# Allegro board 1140022-KU060_PCIE_FIBER_BOARD_V001_pcb166_20240120_1835_pcb.brd (continued)
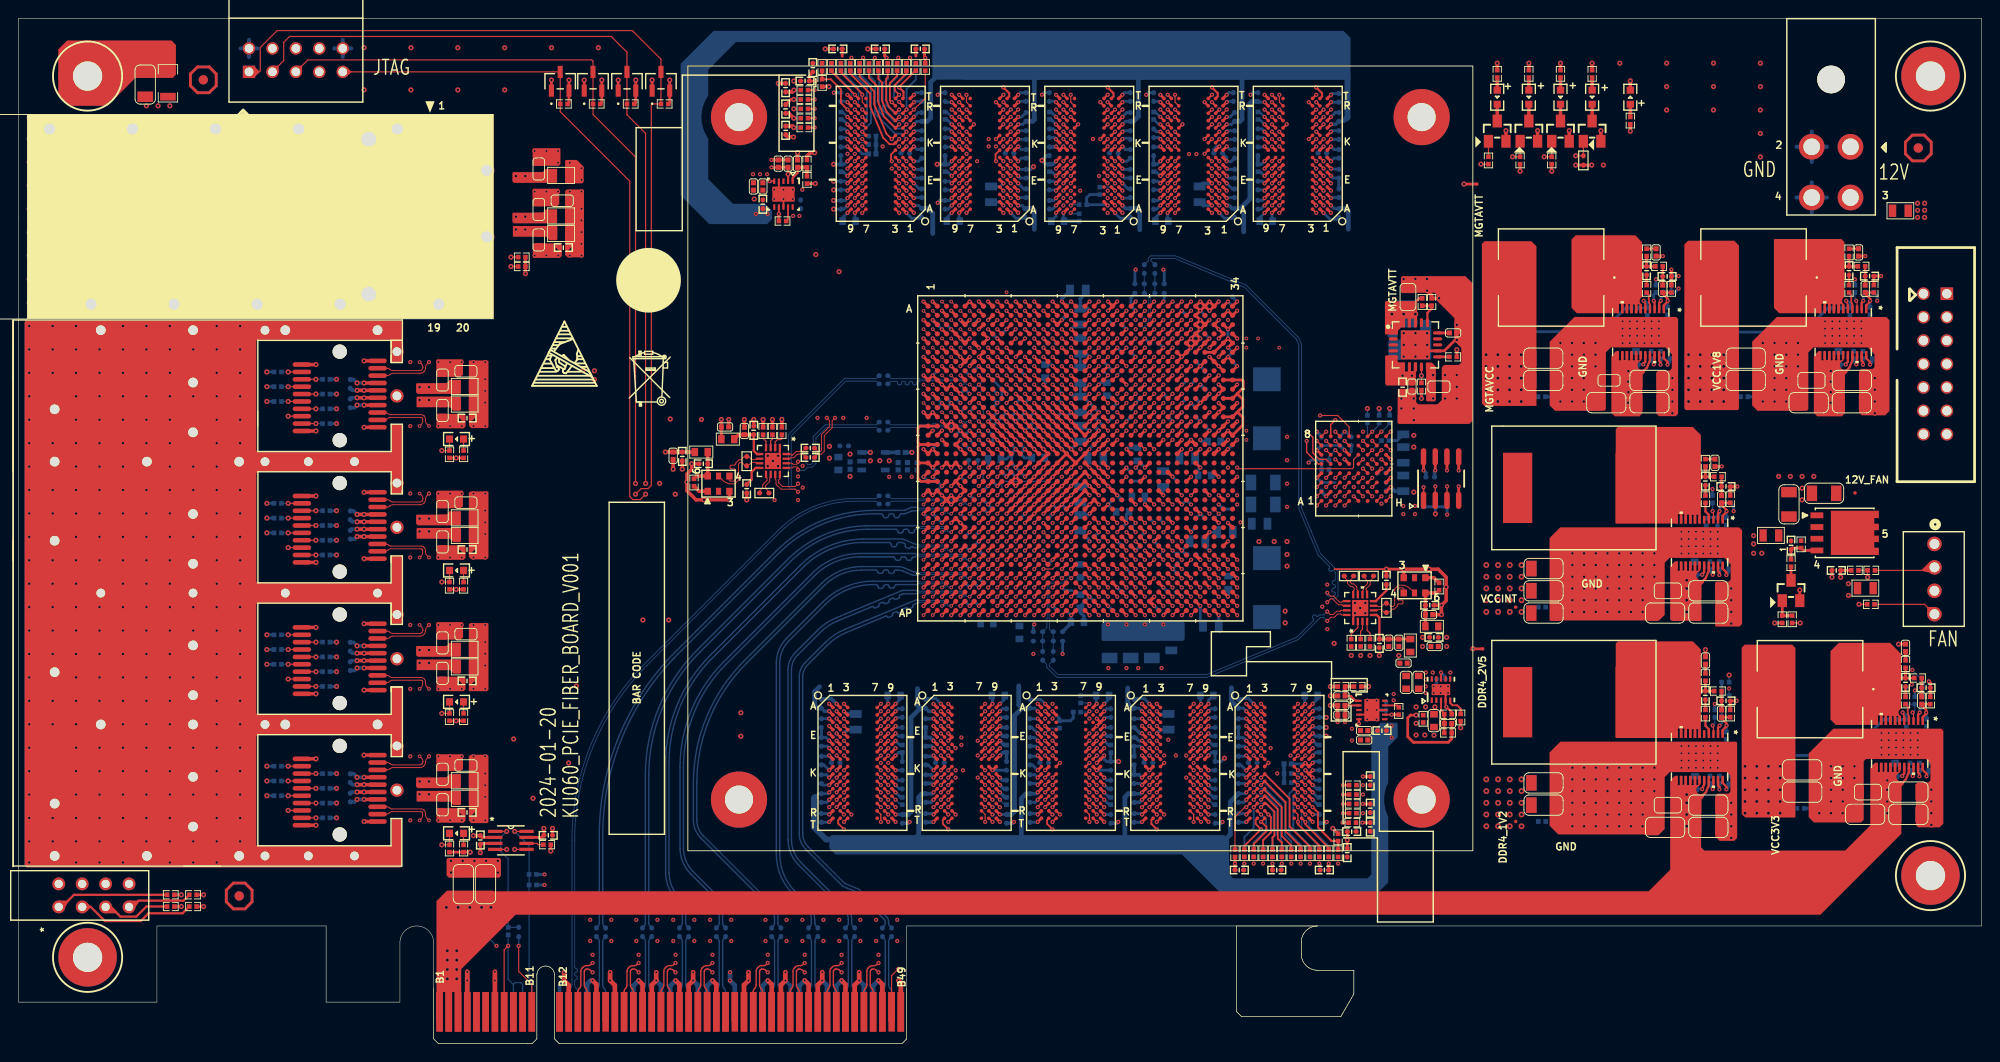
[diagram p0: board, top side]
## Nets (continued)
N24541574: C1379.1(CAP2) U129.15(OUT3_P)
N24547051: C70.1(CAP2) U1.AB6(MGTREFCLK0P_225)
N24547053: C72.1(CAP2) U1.AB5(MGTREFCLK0N_225)
N24596381: R29.2 U2.C6(WP_B)
N24600214: R31.1 U2.F7(WAIT)
N24600788: C18.1(CAP2) C19.1(CAP2) C20.1(CAP2) C21.1(CAP2) C22.1(CAP2) C23.1(CAP2) C1488.1 L2.2 U2.A4(VPP) U2.A6(VCC1) U2.D5(VCCQ1) U2.D6(VCCQ2) U2.G4(VCCQ3) U2.H3(VCC2)
N24609613: TP1.1(PIN1) U1.H27(IO_L1P_T0L_N0_DBC_RS0_65)
N24609632: TP2.1(PIN1) U1.G27(IO_L1N_T0L_N1_DBC_RS1_65)
N24657281: C1407.2(CAP1) U131.8(VAC_REF0)
N24657408: C1395.1(CAP2) U131.16(OUT3_N)
N24657423: C1396.1(CAP2) U131.15(OUT3_P)
N25142150: DS1.1 R9.2
N25143762: R44.2 U1.AC29(IO_T0U_N12_VRP_48)
N25147054: R54.1 U1.AG27(VREF_46)
N25650779: DS9.1 R626.2
N25650781: DS9.2 Q19.3(DRAIN)
N25659786: C1277.1(CAP2) R667.2 R670.1 U117.3(FB)
N25659816: C1281.1(CAP2) U117.8(NR_SS)
N25659818: R664.2 U117.5(PG)
N25669571: R632.2 U114.22(RF)
N25669597: R633.2 U114.21(TRIP)
N25669599: R634.1 U114.20(MODE)
N26123241: R24.1 U1.AM9(IO_T3U_N12_64)
N26191690: DS2.1 R35.2
N26191701: DS2.2 Q2.3(DRAIN)
N26192286: DS3.1 R36.2
N26192301: DS3.2 Q3.3(DRAIN)
N26632533: Q19.1(GATE) R628.1
N26805761: C1432.1 MH1.1 R755.2
N26902737: J63.3(P3) L52.1
N26902768: J63.2(P2) R251.2
N26903299: J63.4(P4) R778.2
N27279036: C1477.1 L240.2 U329.1(VDD) U329.3(CE)
N27384140: C1505.2(CAP1) C1506.1(CAP2) R881.2
N27389672: C1522.2(CAP1) L201.2 R894.1 R915.2 U114.6(SW) U114.7(SW_1) U114.8(SW_2) U114.9(SW_3) U114.10(SW_4) U114.11(SW_5)
N27389694: C1524.1(CAP2) R631.2 R892.2 U114.1(VFB)
N27389709: C1523.1(CAP2) C1524.2(CAP1) R894.2
N27389809: C1522.1(CAP2) R895.2
N27394308: C1546.2(CAP1) L119.1 R911.1 R926.2 U111.6(SW) U111.7(SW_1) U111.8(SW_2) U111.9(SW_3) U111.10(SW_4) U111.11(SW_5)
N27394322: C1548.1(CAP2) R601.1 R910.2 U111.1(VFB)
N27394332: C1547.1(CAP2) C1548.2(CAP1) R911.2
N27394426: C1546.1(CAP2) R919.1
N27588953: TP3.1(PIN1) U1.AE27(IO_L1P_T0L_N0_DBC_48)
N27588956: TP4.1(PIN1) U1.AF27(IO_L1N_T0L_N1_DBC_48)
N27588959: TP5.1(PIN1) U1.AE28(IO_L2P_T0L_N2_48)
N27588962: TP6.1(PIN1) U1.AF28(IO_L2N_T0L_N3_48)
N28454890: R1259.1 U1.J33(MGTHRXP3_127) U1.J34(MGTHRXN3_127) U1.L33(MGTHRXP2_127) U1.L34(MGTHRXN2_127) U1.N33(MGTHRXP1_127) U1.N34(MGTHRXN1_127) U1.R33(MGTHRXP0_127) U1.R34(MGTHRXN0_127)
N28455491: R1258.1 U1.C33(MGTHRXP3_128) U1.C34(MGTHRXN3_128) U1.E33(MGTHRXP2_128) U1.E34(MGTHRXN2_128) U1.F31(MGTHRXP1_128) U1.F32(MGTHRXN1_128) U1.G33(MGTHRXP0_128) U1.G34(MGTHRXN0_128)
N28455621: R1257.1 U1.P1(MGTHRXN3_226) U1.P2(MGTHRXP3_226) U1.T1(MGTHRXN2_226) U1.T2(MGTHRXP2_226) U1.V1(MGTHRXN1_226) U1.V2(MGTHRXP1_226) U1.Y1(MGTHRXN0_226) U1.Y2(MGTHRXP0_226)
N28457703: DS12.1 R1009.1
N28459318: DS13.1 R1018.1
N28465571: C549.1(CAP2) C550.1(CAP2) L48.2 Q8.1 Q8.2 Q8.3 R239.1
N28465581: C550.2(CAP1) Q8.4(GATE) R239.2 R241.1
N28465657: Q9.1(GATE) R245.1 R247.2
N28465659: Q9.3(DRAIN) R241.2
N28472948: C2497.2(CAP1) U249.A16(PERP0)
N28472950: C2496.2(CAP1) U249.A17(PERN0)
N28472956: C2495.2(CAP1) U249.A21(PERP1)
N28472958: C2494.2(CAP1) U249.A22(PERN1)
N28472964: C2493.2(CAP1) U249.A25(PERP2)
N28472966: C2492.2(CAP1) U249.A26(PERN2)
N28472972: C2491.2(CAP1) U249.A29(PERP3)
N28472974: C2490.2(CAP1) U249.A30(PERN3)
N28472980: C2489.2(CAP1) U249.A35(PERP4)
N28472982: C2488.2(CAP1) U249.A36(PERN4)
N28472988: C2487.2(CAP1) U249.A39(PERP5)
N28472990: C2486.2(CAP1) U249.A40(PERN5)
N28472996: C2485.2(CAP1) U249.A43(PERP6)
N28472998: C2484.2(CAP1) U249.A44(PERN6)
N28473004: C2483.2(CAP1) U249.A47(PERP7)
N28473006: C2482.2(CAP1) U249.A48(PERN7)
N28473829: R845.2 U154.6(OE)
N28475155: R1243.1 U249.B11(WAKE#)
N28499917: C1530.2(CAP1) L233.1 R899.1 R916.2 U115.6(SW) U115.7(SW_1) U115.8(SW_2) U115.9(SW_3) U115.10(SW_4) U115.11(SW_5)
N28499931: C1532.1(CAP2) R898.2 R918.1 U115.1(VFB)
N28499937: C1531.1(CAP2) C1532.2(CAP1) R899.2
N28500031: C1530.1(CAP2) R1251.1
N28500189: C1538.2(CAP1) L234.1 R906.1 R917.2 U116.6(SW) U116.7(SW_1) U116.8(SW_2) U116.9(SW_3) U116.10(SW_4) U116.11(SW_5)
N28500193: C1539.1(CAP2) C1540.2(CAP1) R906.2
N28500197: C1540.1(CAP2) R902.1 R905.2 U116.1(VFB)
N28500295: C1538.1(CAP2) R1252.1
N28500649: R641.2 U115.22(RF)
N28500663: R1246.2 U115.21(TRIP)
N28500665: R638.1 U115.20(MODE)
N28500870: R650.2 U116.22(RF)
N28500891: R1253.2 U116.21(TRIP)
N28500893: R652.1 U116.20(MODE)
N28540364: D5.1 R1260.2
N28540367: D5.2 R1261.2
N28540370: D5.3 R1262.2
N28540373: D5.4 R1263.2
N28541960: C80.1(CAP2) U1.K6(MGTREFCLK0P_228)
N28541962: C81.1(CAP2) U1.K5(MGTREFCLK0N_228)
N28542274: C78.1(CAP2) U1.P6(MGTREFCLK0P_227)
N28542276: C79.1(CAP2) U1.P5(MGTREFCLK0N_227)
N28554380: DS11.1 R701.2
N28593772: DS14.1 R1266.1
N28598027: C1420.1(CAP2) L150.1 R748.1 X3.6(VDD)
N28598035: R748.2 X3.1(OE)
N28684983: C1393.1 C1399.1(CAP2) L238.2 U131.5(VDD)
N28685305: R1245.2 U131.3(IN1_P)
N28685309: R1244.2 U131.4(IN1_N)
N28685388: R1279.2 U131.2(IN_SEL)
N28686665: R1280.2 U131.9(OUT0_P)
N28686668: R1280.1 U131.10(OUT0_N)
N28686714: R1281.1 U129.12(OUT1_N)
N28686727: R1281.2 U129.11(OUT1_P)
N28686755: R1282.1 U129.10(OUT0_N)
N28686768: R1282.2 U129.9(OUT0_P)
N28687765: C2512.2(CAP1) U329.4(BP)
N238651613: R895.1 U114.4(VBST)
N238674911: R2.2 U1.AA9(CCLK_0)
N241274570: R585.1 U108.4(VBST)
N244440853: R919.2 U111.4(VBST)
N273868450: C1550.2(CAP1) R889.1
N273966991: C1552.2(CAP1) R915.1
N273990301: C1563.2(CAP1) R926.1
N285004771: C1553.2(CAP1) R916.1
N285005001: C1554.2(CAP1) R917.1
N285016953: R1251.2 U115.4(VBST)
N285042511: R1252.2 U116.4(VBST)
N2378000220: R67.2 U1.AP5(MGTRREF_R)

Pads without a net: J1 6 7 8; MH2 1; MH3 1; MH4 1; NOREF 1; NOREF#14 1; NOREF#16 1; NOREF#28 1; NOREF#29 1; REF 1; U1 A14 A20 A22 AA3 AA4 AA20 AA22 AA23 AA24 AA25 AA27 AA29 AA32 AA33 AA34 AB20 AB21 AB22 AB24 AB29 AB30 AB31 AB32 AB34 AC21 AC22 AC23 AC24 AC26 AC27 AC28 AC33 AC34 AD5 AD6 AD14 AD18 AD25 AD26 AD28 AD29 AD30 AD31 AD33 AD34 AE21 AE26 AE30 AE31 AE32 AE33 AF5 AF6 AF25 AF29 AF30 AF32 AF33 AF34 AG14 AG15 AG19 AG29 AG30 AG31 AG32 AG34 AH14 AH17 AH18 AH19 AH29 AJ10 AJ11 AJ26 AK21 AK25 AK30 AK33 AL33 AM25 AM31 AN8 AN21 AP26 B20 B31 B32 C14 C16 C23 D11 D20 D21 D23 D31 D32 E8 E12 F12 F25 G11 G16 G29 G30 H5 H6 H14 H22 H31 H32 J14 J29 J30 K8 K20 K21 K27 K31 K32 L9 L17 L29 L30 M5 M6 M21 M31 M32 N21 N29 N30 P31 P32 R3 R4 R29 R30 T5 T6 T22 T23 T31 T32 U3 U4 U21 U22 U24 U25 U26 U27 U34 V5 V6 V21 V22 V23 V26 V27 V28 V29 V31 V32 V33 V34 W3 W4 W21 W23 W24 W25 W26 W28 W29 W30 W31 W33 W34 Y5 Y6 Y21 Y23 Y25 Y26 Y27 Y28 Y30 Y31 Y32 Y33; U2 E8 F1 G2; U3 T7; U4 T7; U5 T7; U6 A3 B8 C2 C3 C7 C8 D3 D7 T7; U7 T7; U9 T7; U10 T7; U11 T7; U12 A3 B8 C2 C3 C7 C8 D3 D7 T7; U13 T7; U108 5; U110 2 3 4 13 14 17; U114 5; U134 1 2 3 4; U249 A5 A6 A7 A8 A19 A32 A33 B5 B6 B9 B10 B12 B17 B30 B31; X1 2; X3 2

## Via types
v1: diameter 0.457, hole 0.203, TOP to BOTTOM, 2490 vias
v2: diameter 0.406, hole 0.203, TOP to BOTTOM, 106 vias
v3: diameter 0.559, hole 0.254, TOP to BOTTOM, 903 vias
v4: diameter 0.635, hole 0.305, TOP to BOTTOM, 126 vias

## Routing (per net, layer and track width the routed paths; a pad name or vN(x,y) marks a point on that pad's centre or on a via; arc(x,y) is an arc through that point)
1V8_ROVP: length 3
  TOP w0.203: U115.5 198.3,80.09 v1(198.12,80.54)
  BOTTOM w0.254: v1(198.12,80.54) 198.27,80.54 198.52,80.28 R1248.2 R1250.1
3V3_ROVP: length 2.9
  TOP w0.203: U116.5 204.42,35.46 v1(204.24,35.9)
  BOTTOM w0.254: v1(204.24,35.9) 204.33,35.9 204.64,35.58 R1254.2
  BOTTOM w0.305: R1256.1 R1254.2
GND: length 1350.8
  TOP w0.201: U9.D2 v1(130.18,92.47) ; U13.D8 v1(101.97,92.47) ; U13.E8 v1(101.97,93.27)
  TOP w0.203: U8.4 146.05,35.67 ; U129.1 144.69,46.23 144.86,46.64 v3(144.88,46.66) ; U8.8 U8.11 ; v1(154.97,38.01) 154.7,37.75 U117.4 154.7,36.58 v1(154.78,36.5) ; U131.1 82.54,64.16 82.37,63.75 v3(82.35,63.73) ; v3(148.29,51.44) 142.65,51.44 ; U14.8 U14.11 82.68,92.1 82.43,92.36 U14.4
  TOP w0.229: U6.K9 v1(117.69,28.83)
  TOP w0.254: R670.2 155.37,35.91 v1(154.78,36.5)
  TOP w0.305: v1(101.11,77.45) U1.D4 v1(102.11,76.45) U1.E5 v1(103.11,76.45) ; v1(114.11,57.45) U1.AC17 U1.AB18 ; U10.D8 v1(135.88,92.47) ; U6.M9 v1(117.69,27.23) ; U1.AM18 v1(116.11,48.45) ; U13.K9 v1(101.17,98.07) ; v3(84.05,102.36) 83.72,102.36 C329.2 ; U13.E3 v1(106.77,93.27) ; v1(86.41,104.37) C328.2 85.73,104.98 C327.2 ; U6.D2 v1(111.29,34.43) ; U1.G7 v1(104.11,74.45) U1.F7 ; U1.N9 v1(107.11,67.45) U1.P10 v1(108.11,66.45) U1.R11 v1(109.11,65.45) U1.T12 v1(110.11,64.45) U1.U13 ; U5.B2 v1(122.6,36.03) ; v1(103.11,65.45) U1.R5 v1(102.11,66.45) U1.P4 ; U1.E30 v1(127.11,76.45) ; U1.E30 v1(127.11,75.45) ; U1.E30 v1(128.11,76.45) U1.D30 ; v1(127.11,76.45) U1.E29 v1(127.11,75.45) ; v1(127.11,76.45) U1.D30 ; J3.35 v1(49.28,94.66) ; U1.AE19 v1(117.11,55.45) ; U7.A8 v1(139.5,36.83) ; v1(116.11,79.45) U1.B18 ; U1.A31 v1(128.11,80.45) U1.A30 v1(128.11,79.45) ; U1.A31 v1(128.11,79.45) ; U1.A31 v1(129.11,80.45) U1.A32 ; U1.A31 v1(129.11,79.45) U1.A32 ; U6.E3 v1(112.09,33.63) ; U1.AN15 v1(112.11,47.45) ; C1553.1 v1(200.2,85.38) ; v1(130.11,68.45) U1.M33 v1(130.11,69.45) ; U10.H1 v1(142.28,95.67) ; U150.7 v1(153.58,62.14) ; U13.B2 v1(107.57,90.87) ; U1.D7 v1(105.11,76.45) U1.E7 ; U1.P3 v1(100.11,67.45) ; U1.P3 v1(101.11,67.45) U1.P4 ; U1.P3 v1(101.11,66.45) U1.P4 ; U5.H9 v1(128.99,31.23) ; R82.1 v1(131.87,19.51) C247.2 ; U1.J28 v1(126.11,72.45) ; v1(128.11,79.45) U1.B30 v1(128.11,78.45) ; U11.H1 v1(97.07,95.67) ; U6.C9 v1(117.69,35.23) ; U6.C9 v1(116.89,34.43) U6.D8 ; U6.C9 v1(116.89,35.23) ; U10.E8 v1(135.88,93.27) ; U1.AJ27 v1(125.11,51.45) ; U7.B2 v1(133.9,36.03) ; v3(155.92,76.29) 155.74,76.29 154.56,75.11 U110.12 152.08,75.11 v3(151.43,75.76) ; U10.M9 v1(135.08,99.67) ; U1.AP7 v1(104.11,46.45) ; U13.H1 v1(108.37,95.67) ; U3.M9 v1(95.09,27.23) ; J3.7 v1(44.04,91.86) ; U1.J7 v1(104.11,72.45) ; U1.Y24 v1(122.11,61.45) ; U1.AB28 v1(126.11,58.45) ; U9.M9 v1(123.78,99.67) ; U9.G8 v1(124.58,94.87) ; v1(101.11,75.45) U1.F4 v1(102.11,74.45) U1.G5 ; U1.T10 v1(107.11,65.45) U1.R9 v1(106.11,66.45) U1.P8 v1(105.11,67.45) ; U1.AB4 v1(101.11,58.45) U1.AB3 ; U1.AB4 v1(101.11,59.45) U1.AB3 ; U1.AB4 v1(102.11,59.45) U1.AA5 v1(102.11,60.45) U1.Y4 ; U154.2 50.25,22.35 C1492.2 v3(49.32,22.54) ; U1.U15 v1(112.11,64.45) U1.T14 v1(111.11,65.45) U1.R13 v1(110.11,66.45) U1.P12 v1(109.11,67.45) U1.N11 v1(108.11,68.45) U1.M10 ; v1(127.11,75.45) U1.F29 v1(126.11,74.45) ; U1.H28 v1(126.11,73.45) ; U1.D30 v1(128.11,77.45) ; v1(128.11,77.45) U1.C31 ; v1(128.11,77.45) U1.C30 v1(128.11,78.45) ; v1(129.11,70.45) U1.L31 v1(128.11,69.45) U1.M30 ; v1(112.11,78.45) U1.C15 v1(113.11,78.45) ; U9.N1 v1(130.98,100.47) ; v1(111.11,69.45) U1.M14 v1(112.11,68.45) U1.N15 v1(113.11,67.45) U1.P16 v1(114.11,66.45) U1.R17 ; v1(100.11,62.45) U1.V3 v1(101.11,62.45) U1.V4 v1(102.11,62.45) ; U1.AN2 v1(99.11,47.45) ; U9.H1 v1(130.98,95.67) ; v1(100.79,32.83) U4.E3 v1(100.79,33.63) ; U13.E1 v1(108.37,93.27) ; v1(145.74,28.96) 145.74,28.96 C240.2 ; U1.AG13 v1(110.11,53.45) ; U1.J27 v1(125.11,72.45) ; U3.K9 v1(95.09,28.83) ; U1.AF7 v1(104.11,54.45) ; U1.U23 v1(120.11,64.45) ; U3.F1 v1(87.89,32.83) ; v1(102.11,55.45) U1.AE5 v1(102.11,56.45) U1.AD4 v1(101.11,56.45) ; U3.A8 v1(94.29,36.83) ; U7.G8 v1(139.5,32.03) ; C1422.2 v3(77,67.67) ; U1.A1 v1(98.11,80.45) ; U1.W27 v1(125.11,61.45) ; U11.K1 v1(97.07,98.07) ; U1.F26 v1(124.11,75.45) ; U10.H9 v1(135.08,95.67) ; U1.T8 v1(105.11,65.45) ; U7.D8 v1(139.5,34.43) ; U1.A6 v1(103.11,80.45) U1.A5 ; U1.H20 v1(118.11,73.45) ; U7.M9 v1(140.3,27.23) ; U3.E1 v1(87.89,33.63) ; U6.G8 v1(116.89,32.03) ; U2.H6 v1(148.75,63.34) ; U5.G8 v1(128.2,32.03) ; U7.D2 v1(133.9,34.43) ; U5.E3 v1(123.4,33.63) ; U1.W5 v1(102.11,61.45) U1.Y4 ; U1.T18 v1(116.11,65.45) U1.R19 v1(117.11,66.45) ; v1(117.69,31.23) U6.H9 v1(116.89,30.43) ; U5.E1 v1(121.8,33.63) ; U1.G31 v1(128.11,73.45) U1.H30 ; U3.E9 v1(95.09,33.63) ; U11.N1 v1(97.07,100.47) ; U12.M9 v1(112.47,99.67) ; v1(117.11,68.45) U1.N19 v1(116.11,67.45) U1.P18 ; U1.AJ1 v1(98.11,51.45) ; v1(81.62,95.81) C251.2 C252.2 ; U1.A21 v1(118.11,80.45) ; U1.A21 v1(118.11,79.45) ; U1.A21 v1(119.11,80.45) ; U4.N1 v1(99.19,26.43) ; U1.AB3 v1(100.11,58.45) ; U1.AB3 v1(100.11,59.45) U1.AA2 v1(99.11,59.45) U1.AA1 v1(98.11,59.45) ; U1.E9 v1(106.11,76.45) ; C1491.2 v3(57.9,23.33) ; U1.U5 v1(102.11,64.45) U1.T4 v1(102.11,65.45) ; C2513.2 v3(196.59,50.56) ; U1.AP3 v1(100.11,46.45) ; U3.G8 v1(94.29,32.03) ; U9.E9 v1(123.78,93.27) ; U3.K1 v1(87.89,28.83) ; J3.4 v1(44.04,94.26) ; U12.G8 v1(113.27,94.87) ; U5.N1 v1(121.8,26.43) ; U1.AG1 v1(98.11,53.45) ; v1(108.11,70.45) U1.L11 v1(109.11,69.45) U1.M12 v1(110.11,68.45) U1.N13 v1(111.11,67.45) U1.P14 v1(112.11,66.45) U1.R15 v1(113.11,65.45) U1.T16 v1(114.11,64.45) U1.U17 ; U12.C9 v1(112.47,91.67) ; U1.E19 v1(117.11,76.45) ; U6.A2 v1(111.29,36.83) ; C335.2 v3(87.45,107.85) ; U1.C1 v1(98.11,78.45) ; U1.AG23 v1(121.11,53.45) ; U10.K9 v1(135.08,98.07) ; J3.23 v1(49.28,85.06) ; U4.A2 v1(99.99,36.83) ; U10.B2 v1(141.48,90.87) ; U1.R1 v1(99.11,66.45) ; U10.G8 v1(135.88,94.87) ; v1(113.11,69.45) U1.M16 v1(114.11,68.45) U1.N17 ; U1.G5 v1(102.11,73.45) ; U1.G5 v1(103.11,74.45) ; U11.C9 v1(89.87,91.67) ; U3.B2 v1(88.69,36.03) ; U3.H9 v1(95.09,31.23) ; U1.C5 v1(103.11,78.45) ; U1.F28 v1(126.11,74.45) ; v1(126.11,74.45) U1.G28 ; J3.20 v1(49.28,82.66) ; U10.K1 v1(142.28,98.07) ; U1.P28 v1(126.11,67.45) ; U13.T1 v1(108.37,102.87) ; U1.A7 v1(104.11,80.45) ; U9.T1 v1(130.98,102.87) ; U1.Y8 v1(105.11,60.45) ; v1(98.11,68.45) U1.N1 v1(99.11,68.45) U1.N2 ; U12.A2 v1(118.87,90.07) ; U1.L5 v1(102.11,70.45) U1.K4 v1(101.11,71.45) U1.K3 v1(100.11,71.45) U1.J2 v1(99.11,72.45) U1.J1 v1(98.11,72.45) ; U1.AG5 v1(102.11,53.45) ; U1.H7 v1(104.11,73.45) ; U2.H2 v1(148.75,60.34) ; U7.C9 v1(140.3,35.23) ; U1.H4 v1(101.11,73.45) ; v1(98.11,64.45) U1.U1 v1(99.11,64.45) U1.U2 ; U4.E1 v1(99.19,33.63) ; U12.H1 v1(119.67,95.67) ; C246.2 v1(142.03,19.51) ; U1.AJ5 v1(102.11,51.45) ; U1.V14 v1(111.11,62.45) U1.W13 v1(110.11,61.45) U1.Y12 v1(109.11,60.45) U1.AA11 v1(108.11,59.45) U1.AB10 v1(107.11,58.45) ; U12.N1 v1(119.67,100.47) ; U1.AP4 v1(101.11,46.45) ; U7.T1 v1(133.1,24.03) ; U5.D2 v1(122.6,34.43) ; U1.AP22 v1(120.11,46.45) ; U150.4 v1(156.12,60.41) ; J3.1 v1(44.04,96.66) ; U11.F1 v1(97.07,94.07) ; U1.E2 v1(99.11,76.45) ; U1.AD32 v1(130.11,56.45) ; D2.1 v3(61.33,104.47) ; D4.1 v3(68.69,104.47) ; U5.K9 v1(128.99,28.83) ; U12.A8 v1(113.27,90.07) ; U5.F1 v1(121.8,32.83) ; U12.D2 v1(118.87,92.47) ; U10.D2 v1(141.48,92.47) ; U1.V16 v1(113.11,62.45) U1.W15 v1(112.11,61.45) U1.Y14 v1(111.11,60.45) U1.AA13 v1(110.11,59.45) U1.AB12 v1(109.11,58.45) U1.AC11 v1(108.11,57.45) ; U5.C9 v1(128.99,35.23) ; U1.T34 v1(132.11,65.45) ; C1554.1 v3(203.81,43.31) ; U13.H9 v1(101.17,95.67) ; U7.K1 v1(133.1,28.83) ; J3.19 v1(44.04,82.26) ; U1.F16 v1(113.11,75.45) ; R128.1 v1(98.29,106.89) 98.22,106.96 C331.2 ; U1.D12 v1(109.11,77.45) ; U1.AF16 v1(113.11,54.45) ; U1.G13 v1(110.11,74.45) ; U6.K1 v1(110.49,28.83) ; U6.E8 v1(116.89,33.63) ; U1.V30 v1(128.11,62.45) ; U12.D8 v1(113.27,92.47) ; v1(117.11,59.45) U1.AA19 v1(116.11,60.45) U1.Y18 U1.AA17 v1(114.11,59.45) U1.AB16 v1(113.11,58.45) U1.AC15 v1(112.11,57.45) ; U1.D22 v1(120.11,77.45) ; U1.AK7 v1(104.11,50.45) ; U11.K9 v1(89.87,98.07) ; U1.AF4 v1(101.11,54.45) ; U9.F1 v1(130.98,94.07) ; U13.K1 v1(108.37,98.07) ; U1.AH10 v1(107.11,52.45) ; U3.T1 v1(87.89,24.03) ; U11.A2 v1(96.27,90.07) ; U11.G8 v1(90.67,94.87) ; U1.K14 v1(111.11,71.45) ; U1.AN7 v1(104.11,47.45) ; U4.D2 v1(99.99,34.43) ; U4.M9 v1(106.39,27.23) ; U1.AJ17 v1(114.11,51.45) ; U1.J32 v1(130.11,72.45) ; U9.A2 v1(130.18,90.07) ; U1.F3 v1(100.11,75.45) ; U4.E8 v1(105.59,33.63) ; U150.5 v1(156.12,62.14) ; U1.Y4 v1(101.11,60.45) ; R247.1 v3(190.37,45.6) ; v1(108.11,61.45) U1.Y11 v1(108.11,60.45) U1.Y10 ; v1(108.11,61.45) U1.W11 v1(109.11,62.45) U1.V12 ; v1(108.11,61.45) U1.Y10 ; U1.A32 v1(130.11,80.45) ; U4.F1 v1(99.19,32.83) ; U3.D8 v1(94.29,34.43) ; U4.H9 v1(106.39,31.23) ; U1.L21 v1(119.11,69.45) ; U1.B8 v1(105.11,78.45) ; U10.A8 v1(135.88,90.07) ; U1.L28 v1(126.11,70.45) ; U1.AM7 v1(104.11,48.45) ; U5.E9 v1(128.99,33.63) ; U4.B2 v1(99.99,36.03) ; U1.K34 v1(132.11,71.45) ; U1.D34 v1(132.11,76.45) ; U1.AL5 v1(102.11,49.45) ; U6.E9 v1(117.69,33.63) ; U12.E8 v1(113.27,93.27) ; Q9.2 v3(193.1,49.17) ; U1.A2 v1(99.11,80.45) ; U1.W17 v1(114.11,61.45) U1.Y16 v1(113.11,60.45) U1.AA15 v1(112.11,59.45) U1.AB14 v1(111.11,58.45) U1.AC13 v1(110.11,57.45) U1.AD12 v1(109.11,56.45) ; U6.B2 v1(111.29,36.03) ; U7.N1 v1(133.1,26.43) ; U12.E3 v1(118.07,93.27) ; U13.N1 v1(108.37,100.47) ; U10.C9 v1(135.08,91.67) ; U5.M9 v1(128.99,27.23) ; U1.AH7 v1(104.11,52.45) ; U1.E32 v1(129.11,75.45) ; U1.Y34 v1(132.11,61.45) ; v1(128.11,78.45) U1.C31 ; U1.C31 v1(129.11,78.45) ; C244.2 145.74,25.99 v1(145.74,25.99) ; U1.AC5 v1(102.11,57.45) ; U1.B3 v1(100.11,79.45) ; U1.E1 v1(98.11,76.45) ; U4.G8 v1(105.59,32.03) ; U1.AB8 v1(105.11,58.45) ; U4.T1 v1(99.19,24.03) ; U10.E3 v1(140.68,93.27) ; U1.AK24 v1(122.11,50.45) ; U7.K9 v1(140.3,29.63) ; U7.K9 v1(140.3,28.83) ; U7.K9 v1(139.5,29.63) ; U1.Y10 v1(107.11,60.45) ; R38.1 v3(166.21,94.59) ; U11.T1 v1(97.07,102.87) ; U11.E8 v1(90.67,93.27) ; U9.E1 v1(130.98,93.27) ; U1.P30 v1(128.11,67.45) ; U1.G23 v1(121.11,74.45) ; U1.AK3 v1(100.11,50.45) ; U5.A2 v1(122.6,36.83) ; U4.H1 v1(99.19,31.23) ; U9.C9 v1(123.78,91.67) ; U13.D2 v1(107.57,92.47) ; U3.N1 v1(87.89,26.43) ; U1.AK4 v1(101.11,50.45) ; U150.6 v1(154.85,62.14) ; U9.E3 v1(129.38,93.27) ; U1.M8 v1(106.11,68.45) ; U1.A11 v1(108.11,80.45) ; U1.AM8 v1(105.11,48.45) ; U11.D2 v1(96.27,92.47) ; U4.A8 v1(105.59,36.83) ; U3.E8 v1(94.29,33.63) ; U1.K30 v1(128.11,71.45) ; U1.AJ7 v1(104.11,51.45) ; U4.D8 v1(105.59,34.43) ; U3.D2 v1(88.69,34.43) ; U1.F33 v1(130.11,74.45) ; U1.B7 v1(104.11,79.45) ; U1.K24 v1(122.11,71.45) ; U1.U19 117.08,64.45 v1(117.11,64.45) U1.T20 v1(118.11,65.45) ; U9.K9 v1(123.78,98.07) ; U6.N1 v1(110.49,26.43) ; U13.G8 v1(101.97,94.87) ; U5.E8 v1(128.2,33.63) ; U7.A2 v1(133.9,36.83) ; U10.N1 v1(142.28,100.47) ; C237.2 v1(135.94,19.51) ; U13.C9 v1(101.17,91.67) ; U1.H10 v1(107.11,73.45) ; U1.L1 v1(98.11,70.45) ; U1.AD22 v1(120.11,56.45) ; U6.T1 v1(110.49,24.03) ; U1.V20 v1(118.11,62.43) ; U4.C9 v1(106.39,35.23) ; U1.P22 v1(120.11,67.45) ; U1.AN1 v1(98.11,47.45) ; U1.T26 v1(124.11,65.45) ; J3.38 v1(49.28,97.06) ; U12.E1 v1(119.67,93.27) ; U6.F1 v1(110.49,32.83) ; J3.16 v1(44.04,84.66) ; U11.D8 v1(90.67,92.47) ; U13.E9 v1(101.17,93.27) ; U1.AF26 v1(123.11,54.45) ; U2.B2 v1(141.75,59.34) ; U11.H9 v1(89.87,95.67) ; v1(101.11,69.45) U1.M4 v1(102.11,68.45) U1.N5 ; U1.U30 v1(128.11,64.45) ; U11.E1 v1(97.07,93.27) ; U1.W1 v1(98.11,61.45) ; C1563.1 v1(178.25,85.38) ; U1.AG7 v1(104.11,53.45) ; U4.K9 v1(106.39,28.83) ; U7.H1 v1(133.1,31.23) ; U13.A8 v1(101.97,90.07) ; U6.H1 v1(110.49,31.23) ; U1.AL11 v1(108.11,49.45) ; U9.E8 v1(124.58,93.27) ; U3.E3 v1(89.49,33.63) ; U10.A2 v1(141.48,90.07) ; U7.E8 v1(139.5,33.63) ; U1.M18 v1(116.11,69.45) ; U7.H9 v1(140.3,31.23) ; U1.J17 v1(114.11,72.45) ; U5.H1 v1(121.8,31.23) ; U13.A2 v1(107.57,90.07) ; U12.H9 v1(112.47,95.67) ; U1.AE1 v1(98.11,55.45) ; U1.AC1 v1(98.11,57.45) ; U1.J5 v1(102.11,72.45) ; U5.K1 v1(121.8,28.83) ; U1.AL21 v1(119.11,49.45) ; D3.1 v3(65.01,104.47) ; v1(106.11,55.45) U1.AE9 ; U1.B33 v1(131.11,79.45) U1.B34 v1(132.11,79.45) ; U11.E9 v1(89.87,93.27) ; U1.AL31 v1(129.11,49.45) ; U9.K1 v1(130.98,98.07) ; U1.AL1 v1(98.11,49.45) ; U1.N25 v1(123.11,68.45) ; U9.B2 v1(130.18,90.87) ; U4.K1 v1(99.19,28.83) ; U1.V10 v1(107.11,62.45) ; U2.H4 v1(148.75,62.34) ; U5.D8 v1(128.2,34.43) ; U12.K9 v1(112.47,98.07) ; v1(126.11,79.45) U1.B28 ; U12.T1 v1(119.67,102.87) ; C1550.1 v1(184.63,62.57) ; U1.B4 v1(101.11,79.45) ; U1.AP32 v1(130.11,46.45) ; C1552.1 v3(182.87,42.71) ; U1.AE29 v1(127.11,55.45) ; U1.N28 v1(126.11,68.45) ; U1.AA31 v1(129.11,59.45) ; U10.E9 v1(135.08,93.27) ; U3.H1 v1(87.89,31.23) ; U7.E3 v1(134.7,33.63) ; U1.AP12 v1(109.11,46.45) ; U1.AN5 v1(102.11,47.45) ; C242.2 v1(145.69,23.95) ; U7.E1 v1(133.1,33.63) ; U12.F1 v1(119.67,94.07) ; U10.F1 v1(142.28,94.07) ; J3.32 v1(49.28,92.26) ; U1.AE7 v1(104.11,55.45) ; U1.AK34 v1(132.11,50.45) ; U4.E9 v1(106.39,33.63) ; J3.13 v1(44.04,87.06) ; U12.K1 v1(119.67,98.07) ; U11.A8 v1(90.67,90.07) ; v3(150.16,51.44) v3(148.29,51.44) ; U1.V8 v1(105.11,62.45) ; U11.E3 v1(95.47,93.27) ; U1.C7 v1(104.11,77.45) ; C236.2 144.06,22.09 v3(144.04,22.07) C239.2 ; U1.C25 v1(123.11,78.45) ; U12.B2 v1(118.87,90.87) ; U13.M9 v1(101.17,99.67) ; U10.E1 v1(142.28,93.27) ; U3.A2 v1(88.69,36.83) ; U1.AM28 v1(126.11,48.45) ; U1.AF3 v1(100.11,54.45) ; v1(119.11,59.45) U1.AA21 v1(118.11,60.45) U1.Y20 v1(117.11,61.45) U1.W19 v2(116.11,62.45) U1.V18 ; U1.H34 v1(132.11,73.45) ; U10.T1 v1(142.28,102.87) ; U1.G1 v1(98.11,74.45) ; U6.E1 v1(110.49,33.63) ; U1.AE2 v1(99.11,55.45) ; U6.A8 v1(116.89,36.83) ; U9.H9 v1(123.78,95.67) ; U1.AM4 v1(101.11,48.45) ; J3.26 v1(49.28,87.46) ; C333.2 v3(92.06,107.85) ; U13.F1 v1(108.37,94.07) ; D1.1 v3(57.77,104.47) ; U9.A8 v1(124.58,90.07) ; R39.1 v3(162.78,94.59) ; U1.AC19 v1(116.11,57.45) ; U7.F1 v1(133.1,32.83) ; U9.D8 v1(124.58,92.47) ; U1.F34 v1(132.11,75.45) ; U1.K28 v1(126.11,71.45) ; U1.AH4 v1(101.11,52.45) ; U11.M9 v1(89.87,99.67) ; U1.M28 v1(126.11,69.45) ; U12.E9 v1(112.47,93.27) ; v1(111.11,50.45) U1.AK14 ; U3.C9 v1(95.09,35.23) ; U11.B2 v1(96.27,90.87) ; U5.A8 v1(128.2,36.83) ; U7.E9 v1(140.3,33.63) ; U5.T1 v1(121.8,24.03) ; U1.AL7 v1(104.11,49.45) ; U1.AG33 v1(131.11,54.45) ; U1.AJ2 v1(99.11,51.45)
  TOP w0.381: U1.U32 v1(130.11,64.45) ; U1.T30 v1(127.11,65.45) U1.T29 ; v1(143,34.86) C342.2 C343.2 v3(142.21,36.67) ; P1.B1 v3(32.24,59.37) ; P1.B17 v3(37.47,57.37) v3(36.71,57.37) ; R101.1 v3(142.21,38.71) ; P1.C1 v3(32.24,45.12) ; P1.D20 v3(37.47,31.27) ; X1.3 v3(150.16,51.44) v3(152.91,51.44) 153.9,51.44 154.76,50.57 v3(154.76,49.5) 154.76,48.03 v3(154.25,47.52) ; P1.D11 v3(37.47,24.07) ; P1.D14 v3(37.47,26.47) ; R1279.1 v3(82.75,67.67) ; v3(84.02,98.3) 83.41,98.3 C337.2 ; U1.M34 v1(132.11,69.45) ; C1393.2 v3(78.69,67.67) ; v3(154,80.81) R608.1 153.19,81.14 v3(152.69,81.64) ; C1420.2 v3(72.98,62.87) 72.98,62.26 72.47,61.75 v3(72.47,60.88) 72.47,59.94 73.46,58.95 v3(74.32,58.95) v3(77.07,58.95) X3.3 ; U1.T28 v1(126.11,65.45) ; U1.U33 v1(131.11,64.45) ; P1.A17 v3(37.47,71.62) ; Q19.2 v3(161.25,98.98) ; P1.C20 v3(37.47,45.52) ; C1388.1 v3(148.29,51.44) ; U1.P34 v1(132.11,67.45) ; v3(36.71,54.97) v3(37.47,54.97) P1.B14 ; Q2.2 v3(168.11,98.98) ; C1407.1 v3(78.94,58.95) ; v1(123.11,47.45) U1.AN25 v1(123.11,48.45) ; C1372.2 v3(154.25,47.52) ; v3(154.25,47.52) v3(154.25,46.51) C1494.1 ; P1.C17 v3(37.47,43.12) ; R145.1 85.47,96.21 85.85,96.6 v3(86.31,96.6) ; P1.A1 v3(32.24,73.62) ; P1.A11 v3(37.47,66.82) ; P1.C14 v3(37.47,40.72) ; R1245.1 v3(81.74,67.67) ; R1244.1 v3(80.72,67.67) ; P1.B20 v3(37.47,59.77) ; P1.B10 v3(32.24,52.17) ; U1.T33 v1(131.11,65.45) ; P1.A20 v3(37.47,74.02) ; U1.R28 v1(126.11,66.45) ; U1.R31 v1(129.11,66.45) ; P1.C10 v3(32.24,37.92) ; U1.N32 v1(130.11,68.45) ; Q1.2 v3(171.54,98.98) ; Q3.2 v3(164.68,98.98) ; C334.1 v3(84.46,96.6) ; C1392.2 v3(70.97,62.28) ; U1.AH20 v1(117.11,52.45) ; P1.A14 v3(37.47,69.22) ; DS11.2 v3(174.73,104.39) ; P1.D10 v3(32.24,23.67) ; C1421.2 v3(71.96,62.28) ; C338.2 v3(82.37,104.11) ; P1.B11 v3(37.47,52.57) ; U1.AC25 v1(122.11,58.45) ; P1.A10 v3(32.24,66.42) ; U1.U31 v1(129.11,64.45) ; P1.D1 v3(32.24,30.87) ; v1(102.11,78.45) U1.C5 ; C243.1 v3(142.21,37.7) ; P1.C11 v3(37.47,38.32) ; P1.D17 v3(37.47,28.87) ; C1399.2 v3(79.71,67.67) ; U1.AH30 v1(128.11,52.45)
  TOP w0.508: U249.A4 v1(48.65,6.84) v1(48.65,7.78) ; U249.B7 v1(51.65,6.84) v1(51.65,7.78) ; U249.B35 81.65,6.41 v1(81.23,6.83) ; v1(83.13,7.72) v1(83.13,6.83) 82.65,6.35 U249.B36 ; v1(75.23,6.83) 75.65,6.41 U249.B29 ; U249.B26 72.65,6.35 v1(73.13,6.83) v1(73.13,7.72) ; v1(79.13,7.72) v1(79.13,6.83) 78.65,6.35 U249.B32 ; U249.B22 68.65,6.35 v1(69.13,6.83) v1(69.13,7.72) ; v1(91.13,7.72) v1(91.13,6.83) 90.65,6.35 U249.B44 ; v1(85.23,6.83) 85.65,6.41 U249.B39 ; v1(71.23,6.83) 71.65,6.41 U249.B25 ; v1(67.23,6.83) 67.65,6.41 U249.B21 ; v1(93.23,6.83) 93.65,6.41 U249.B47 ; v1(95.39,6.83) 95.65,6.57 U249.A49 ; U249.A18 64.65,6.32 v1(64.14,6.83) v1(64.14,7.72) ; v1(89.23,6.83) 89.65,6.41 U249.B43 ; U249.B40 86.65,6.35 v1(87.13,6.83) v1(87.13,7.72) ; U249.B16 62.65,6.41 v1(62.23,6.83) ; U249.B13 59.65,6.32 v1(59.14,6.83) v1(59.14,7.72)
  GND02 w0.391: J59.2 194.39,98.88 ; J59.2 196.04,97.23 ; J59.2 194.39,95.58 ; J59.2 192.74,97.23 ; 205.56,66.06 J19.13 ; J19.13 206.5,67 ; J19.13 206.5,65.12 ; J19.13 207.44,66.06 ; J59.4 194.39,93.38 ; J59.4 192.74,91.73 ; J59.4 196.04,91.73 ; J59.4 194.39,90.08 ; 35.15,106.97 J1.10 ; J1.10 36.08,107.9 ; J1.10 35.15,108.83 ; J1.10 34.23,107.9 ; J19.2 209.04,82.24 ; J19.2 209.98,81.3 ; J19.2 208.1,81.3 ; J19.2 209.04,80.36 ; 24.99,106.97 J1.2 ; J1.2 24.99,108.83 ; J1.2 25.92,107.9 ; J1.2 24.07,107.9 ; J19.14 209.98,66.06 ; J19.14 209.04,65.12 ; J19.14 209.04,67 ; J19.14 208.1,66.06
  ART03 w0.391: J59.4 196.04,91.73 ; J59.4 192.74,91.73 ; J59.4 194.39,90.08 ; J59.4 194.39,93.38 ; 24.07,107.9 J1.2 ; J1.2 25.92,107.9 ; J1.2 24.99,108.83 ; J1.2 24.99,106.97 ; 209.04,80.36 J19.2 ; J19.2 208.1,81.3 ; J19.2 209.04,82.24 ; J19.2 209.98,81.3 ; J19.13 206.5,67 ; J19.13 205.56,66.06 ; J19.13 207.44,66.06 ; J19.13 206.5,65.12 ; J19.14 209.98,66.06 ; J19.14 209.04,65.12 ; J19.14 208.1,66.06 ; J19.14 209.04,67 ; J59.2 196.04,97.23 ; J59.2 194.39,98.88 ; J59.2 192.74,97.23 ; J59.2 194.39,95.58 ; 35.15,106.97 J1.10 ; J1.10 36.08,107.9 ; J1.10 35.15,108.83 ; J1.10 34.23,107.9
  GND04 w0.391: 208.1,66.06 J19.14 ; J19.14 209.04,65.12 ; J19.14 209.04,67 ; J19.14 209.98,66.06 ; J59.2 196.04,97.23 ; J59.2 194.39,98.88 ; J59.2 192.74,97.23 ; J59.2 194.39,95.58 ; 206.5,65.12 J19.13 ; J19.13 205.56,66.06 ; J19.13 206.5,67 ; J19.13 207.44,66.06 ; J1.2 24.99,108.83 ; J1.2 25.92,107.9 ; J1.2 24.99,106.97 ; J1.2 24.07,107.9 ; 208.1,81.3 J19.2 ; J19.2 209.04,80.36 ; J19.2 209.98,81.3 ; J19.2 209.04,82.24 ; J1.10 36.08,107.9 ; J1.10 34.23,107.9 ; J1.10 35.15,108.83 ; J1.10 35.15,106.97 ; 194.39,90.08 J59.4 ; J59.4 196.04,91.73 ; J59.4 192.74,91.73 ; J59.4 194.39,93.38
  GND06 w0.391: J59.4 194.39,93.38 ; J59.4 192.74,91.73 ; J59.4 194.39,90.08 ; J59.4 196.04,91.73 ; J19.14 209.98,66.06 ; J19.14 209.04,67 ; J19.14 209.04,65.12 ; J19.14 208.1,66.06 ; 24.07,107.9 J1.2 ; J1.2 24.99,108.83 ; J1.2 25.92,107.9 ; J1.2 24.99,106.97 ; 206.5,65.12 J19.13 ; J19.13 206.5,67 ; J19.13 207.44,66.06 ; J19.13 205.56,66.06 ; 194.39,95.58 J59.2 ; J59.2 196.04,97.23 ; J59.2 192.74,97.23 ; J59.2 194.39,98.88 ; 34.23,107.9 J1.10 ; J1.10 35.15,106.97 ; J1.10 36.08,107.9 ; J1.10 35.15,108.83 ; J19.2 209.98,81.3 ; J19.2 209.04,82.24 ; J19.2 208.1,81.3 ; J19.2 209.04,80.36
  PWER07 w0.391: 209.04,65.12 J19.14 ; J19.14 208.1,66.06 ; J19.14 209.98,66.06 ; J19.14 209.04,67 ; 209.04,80.36 J19.2 ; J19.2 209.04,82.24 ; J19.2 209.98,81.3 ; J19.2 208.1,81.3 ; 194.39,95.58 J59.2 ; J59.2 194.39,98.88 ; J59.2 196.04,97.23 ; J59.2 192.74,97.23 ; 194.39,90.08 J59.4 ; J59.4 196.04,91.73 ; J59.4 192.74,91.73 ; J59.4 194.39,93.38 ; J1.2 24.99,108.83 ; J1.2 25.92,107.9 ; J1.2 24.99,106.97 ; J1.2 24.07,107.9 ; J1.10 36.08,107.9 ; J1.10 35.15,108.83 ; J1.10 34.23,107.9 ; J1.10 35.15,106.97 ; J19.13 206.5,67 ; J19.13 206.5,65.12 ; J19.13 205.56,66.06 ; J19.13 207.44,66.06
  PWER08 w0.391: 24.07,107.9 J1.2 ; J1.2 24.99,106.97 ; J1.2 25.92,107.9 ; J1.2 24.99,108.83 ; 34.23,107.9 J1.10 ; J1.10 35.15,108.83 ; J1.10 35.15,106.97 ; J1.10 36.08,107.9
  GND09 w0.391: J19.14 209.04,67 ; J19.14 209.04,65.12 ; J19.14 209.98,66.06 ; J19.14 208.1,66.06 ; 35.15,106.97 J1.10 ; J1.10 35.15,108.83 ; J1.10 34.23,107.9 ; J1.10 36.08,107.9 ; 192.74,97.23 J59.2 ; J59.2 196.04,97.23 ; J59.2 194.39,95.58 ; J59.2 194.39,98.88 ; 209.04,80.36 J19.2 ; J19.2 208.1,81.3 ; J19.2 209.04,82.24 ; J19.2 209.98,81.3 ; J19.13 207.44,66.06 ; J19.13 206.5,67 ; J19.13 205.56,66.06 ; J19.13 206.5,65.12 ; 192.74,91.73 J59.4 ; J59.4 196.04,91.73 ; J59.4 194.39,93.38 ; J59.4 194.39,90.08 ; J1.2 24.99,108.83 ; J1.2 24.07,107.9 ; J1.2 25.92,107.9 ; J1.2 24.99,106.97
  ART10 w0.391: J19.2 209.98,81.3 ; J19.2 209.04,80.36 ; J19.2 208.1,81.3 ; J19.2 209.04,82.24 ; J59.4 194.39,93.38 ; J59.4 192.74,91.73 ; J59.4 196.04,91.73 ; J59.4 194.39,90.08 ; 192.74,97.23 J59.2 ; J59.2 194.39,98.88 ; J59.2 194.39,95.58 ; J59.2 196.04,97.23
  GND11 w0.391: J1.10 35.15,108.83 ; J1.10 35.15,106.97 ; J1.10 36.08,107.9 ; J1.10 34.23,107.9 ; J1.2 25.92,107.9 ; J1.2 24.99,108.83 ; J1.2 24.99,106.97 ; J1.2 24.07,107.9 ; J59.2 196.04,97.23 ; J59.2 194.39,95.58 ; J59.2 194.39,98.88 ; J59.2 192.74,97.23 ; J19.2 209.04,82.24 ; J19.2 208.1,81.3 ; J19.2 209.98,81.3 ; J19.2 209.04,80.36 ; J19.13 207.44,66.06 ; J19.13 206.5,65.12 ; J19.13 206.5,67 ; J19.13 205.56,66.06 ; J19.14 209.98,66.06 ; J19.14 209.04,65.12 ; J19.14 209.04,67 ; J19.14 208.1,66.06 ; J59.4 194.39,93.38 ; J59.4 194.39,90.08 ; J59.4 196.04,91.73 ; J59.4 192.74,91.73
  ART12 w0.391: J59.4 196.04,91.73 ; J59.4 194.39,90.08 ; J59.4 192.74,91.73 ; J59.4 194.39,93.38 ; J19.2 209.04,82.24 ; J19.2 208.1,81.3 ; J19.2 209.04,80.36 ; J19.2 209.98,81.3 ; 208.1,66.06 J19.14 ; J19.14 209.04,67 ; J19.14 209.98,66.06 ; J19.14 209.04,65.12 ; J19.13 206.5,67 ; J19.13 207.44,66.06 ; J19.13 206.5,65.12 ; J19.13 205.56,66.06 ; J59.2 194.39,98.88 ; J59.2 196.04,97.23 ; J59.2 194.39,95.58 ; J59.2 192.74,97.23